# Altium PCB Elevator.PcbDoc (part 2 of 4)
Units mm, origin at the board's own origin, x right, y up, seen from the top; angles counter-clockwise.
Board outline 119.89 x 108.33 mm, 4 copper layers (Top Layer, Internal Plane 1, Internal Plane 2, Bottom Layer), stack 0.462 mm thick; 407 components, 278 nets, 1196 pads, 152 vias.
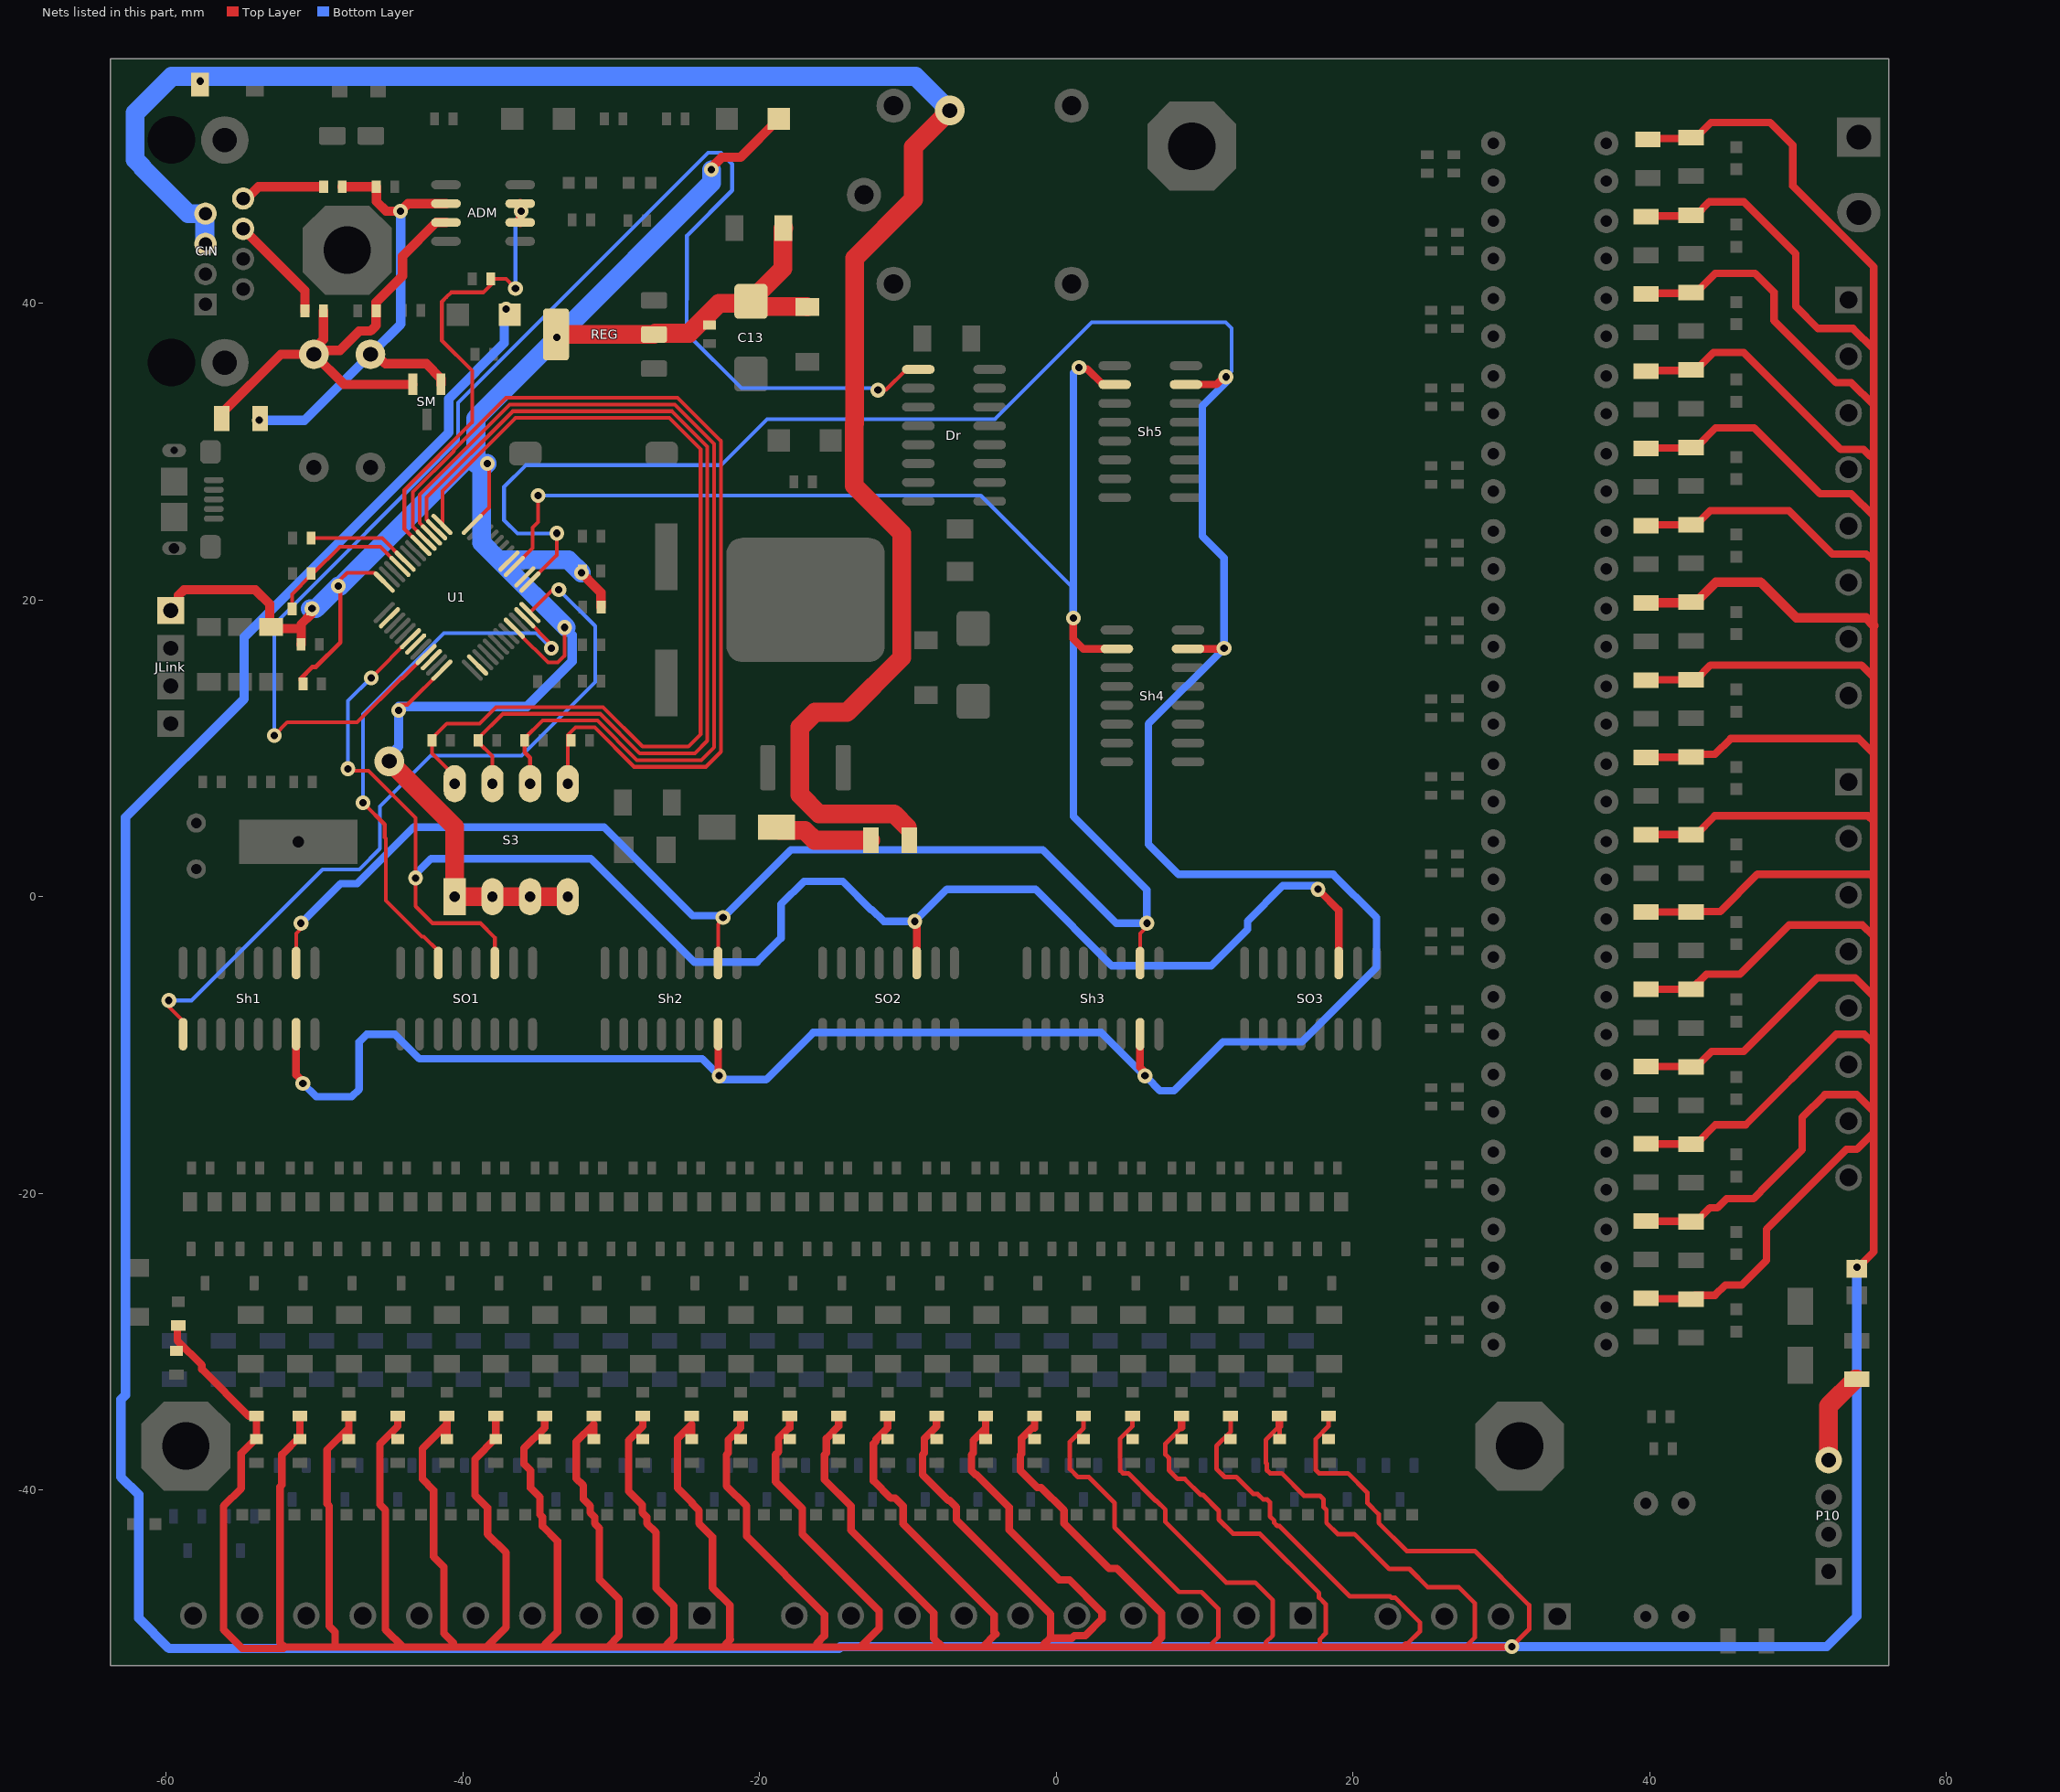
[diagram p4: the nets of this part, all layers, seen from the top]

## Part data
3.3V 5V 24V CON L1 L2 L3 L4 L5 L6 L7 L8 L9 L10 L11 L12 L13 L14 L15 L16 L17 L18 L19 L20 L21 L22 L23 L24 L25 L26 L27 L28 L29 L30 L31 L32 L33 L34 L35 L36 L37 L38 L39 L40 Rx Tx: library part LED, "Chip LED"
  Rx Tx: Price=845
ADM: library part MAX485CPA, Price=14700
C1: "Header, 2-Pin", LatestRevisionDate=17-Jul-2002, LatestRevisionNote="Re-released for DXP Platform.", Publisher="Altium Limited", system=connector
C2 CH1 CV1 CV2 CV3 CV4 CV5 CV6 CV7 CV8 CV9 CV10 CV11 CV12 CV13 CV14 CV15 CV16 CY1 CY2 CY3 CY4 CY5 CY6 CY7 CY8 CY9 CY10 CY11 CY12 CY13 CY14 CY15 CY16 CY17 CY18 CY19 CY20 CY21 CY22 CY23 CY24: library part Cap-Bipolar, "Bipolar Capacitor", Voltage=35V, Price=2800
C6 C7 C10 C15 C16 CS3: library part Cap-Bipolar, "Bipolar Capacitor", Voltage=100V
  C6 C7: ComponentLink1Description="Buy Link", ComponentLink1URL=http://nikushop.com/index.php?id_product=9033&controller=product, Price=902
  C10 C15: ComponentLink1Description="Buy Link", ComponentLink1URL=http://nikushop.com/index.php?id_product=13570&controller=product&search_query=1uF-0603&results=1, Price=2346
  C16: ComponentLink1Description="Buy Link", ComponentLink1URL=http://nikushop.com/index.php?id_product=9021&controller=product&search_query=10PF-0603&results=1, Price=1173
  CS3: Adding Date=1387/12/20, Designer="Saeid Jorablo", Organazation=ControTec
C13: library part Cap-Polar, "Polar Capacitor", Voltage=6V, Price=0
CR1 CR2: library part Cap-Bipolar, "Bipolar Capacitor", Voltage=50V, Price=753
CR3 CS2: library part Cap-Polar, "Polar Capacitor", Voltage=16V, Adding Date=1387/12/20, Designer="Saeid Jorablo", Organazation=ControTec
DD1 DD2 DD3 DD4 DD5 DD6 DD7 DD8 DD9 DD10 DD11 DD12 DD13 DD14 DD15 DD16 DD17 DD18 DD19 DD20 DD21 DD22 DD23 DD24 DM1 DM6 DP1 DP2 DP15: library part "Diode 1N4148", "High Conductance Fast Diode", Code_JEDEC=DO-204-AH, ComponentLink1Description="Manufacturer Link", ComponentLink1URL=http://www.fairchildsemi.com/, ComponentLink2Description=Datasheet, ComponentLink2URL=http://www.fairchildsemi.com/ds/1N%2F1N4148.pdf, DatasheetVersion=1997, LatestRevisionDate=17-Jul-2002, LatestRevisionNote="Re-released for DXP Platform.", PackageDescription="Diode, Axial; Body 3.8 x 1.9 mm (LxDia. max), Lead Dia. 0.53 mm (max)", PackageReference=DO-35, Published=8-Jun-2000, Publisher="Altium Limited"
DZ1 DZ2 DZ10 DZ11 DZ12 DZ20: library part "D Zener", "Zener Diode", Voltage=5.1, Price=1840
F3 F4: library part "Fuse 2", "Fuse", Current=0.5A, LatestRevisionDate=17-Jul-2002, LatestRevisionNote="Re-released for DXP Platform.", PackageDescription="Thru-Hole; 2 Leads", PackageReference=PIN-W2/E2.8, Published=8-Jun-2000, Publisher="Altium Limited"
FB1: library part Inductor, "Inductor", Code_IEC=1005, Code_JEITA=0402, LatestRevisionDate=29-May-2009, LatestRevisionNote="IPC-7351 Footprint Added.", PackageDescription="Chip Inductor", PackageReference=0805, Published=8-Jun-2000, Publisher="Altium Limited"
JLink: library part "Header 1*4"
K: "RELAY 5V 7A 1C 5PIN", Company=E.P.I.L, Design_Date=2011/10/31, Designer="Eng. Saeid Jorablo"
LOGO1: library part WARNING, "WARNING & LOGO", Company=E.P.I.L, Design Date=11/6/2011
M1 M2 M3 M4 M5 M6 M7 M8 M9 M10 M11 M12 M13 M14 M15 M16 M17 M18 M19 M20 M21 M22 M23 M24: library part 2N7002ET1G, Manufacturer="On Semiconductor", Package Type=SOT-23-3, Supplier Part Number 1=2N7002ET1GOSTR-ND, Channel Polarity="N Channel", Ciss Typ (pF)=26.7, ComponentLink1Description="Manufacturer URL", ComponentLink1URL=http://www.onsemi.com/, ComponentLink2Description=Datasheet, ComponentLink2URL=http://www.onsemi.com/pub_link/Collateral/2N7002E-D.PDF, ComponentLink3Description="Package Specification", ComponentLink3URL=http://www.onsemi.cn/pub_link/Collateral/318-08.PDF, Configuration=Single, Coss Typ (pF)=4.6, Crss Typ (pF)=2.9, DatasheetVersion="Rev. 3", ID Max (A)=0.31, Mounting Technology="Surface Mount", PackageDescription="3-Pin Small Outline Transistor, Body 2.92 x 1.3 mm, Pitch 0.95 mm", PackageReference=SOT-23-3-318-08, PackageVersion="Rev. AP, 11/2009", Packing="Tape and Reel", PartNumber=2N7002ET1G, RoHS=Pb-Free, Supplier 1=Digi-Key, Supplier 2=Digi-Key, Supplier 3=Digi-Key, Supplier 4=Farnell, Supplier 5=Farnell, Supplier 6=Newark, Supplier 7=Newark, Supplier 8=Mouser, Supplier Part Number 2=2N7002ET1GOSCT-ND, Supplier Part Number 3=2N7002ET1GOSDKR-ND, Supplier Part Number 4=2317895, Supplier Part Number 5=2317616, Supplier Part Number 6=09R9861, Supplier Part Number 7=50M2216, Supplier Part Number 8=863-2N7002ET1G, V(BR)DSS Min (V)=60, VGS(th) Max (V)=2.5, VGS Max (V)=20
O1 O2 O3 O4 O5 O6 O7 O8 O9 O10 O11 O12 O13 O14 O15 O16: "HIGH DENSITY MOUNTING PHOTOTRANSISTOR OPTICALLY COUPLED ISOLATORS", Price=10914
OpC: library part TLP521, "HIGH DENSITY MOUNTING PHOTOTRANSISTOR OPTICALLY COUPLED ISOLATORS", Price=10914
P1 P2: library part "Header 1x10"
P3 P10: library part "Header 1x4"
P5 P6: library part "Header 1x8"
R1 R2 R5 R6 R7 R8 R9 R10 R44 R45 R46 R47 RA1 RA2 RA3 RA4 RA5 RA6 RA7 RA8 RA9 RA10 RA11 RA12 RA13 RA14 RA15 RA16 RA17 RA18 RA19 RA20 RA21 RA22 RA23 RA24 RG1 RG2 RG3 RG4 RG5 RG6 RG7 RG8 RG9 RG10 RG11 RG12 RG13 RG14 RG15 RG16 RJ1 RJ2 RJ3 RJ4 RJ5 RJ6 RJ7 RJ8 RJ9 RJ10 RJ11 RJ12 RJ13 RJ14 RJ15 RJ16 RJ17 RJ18 RJ19 RJ20 RJ21 RJ22 RJ23 RJ24 RP2 RR1 RR2 RR3 RR4 RR5 RR6 RR7 RR8 RR9 RR10 RR11 RR12 RR13 RR14 RR15 RR16 RR17 RR18 RR19 RR20 RR21 RR22 RR23 RR24 RR25 RR26 RR27 RR28 RR29 RR30 RR31 RR32 RR33 RR34 RR35 RR36 RR37 RR38 RR39 RR40 RU1 RU2 RU3 RU4 RU5 RU6 RU7 RU8 RU9 RU10 RU11 RU12 RU13 RU14 RU15 RU16: library part Resistor, "Resistor"
  R1 R2 R5 R6 R10 R44 R45 R46 R47: ComponentLink1Description="Buy Link", ComponentLink1URL=http://www.roboeq.ir/products/detail/%D9%85%D9%82%D8%A7%D9%88%D9%85%D8%AA%2010%20%DA%A9%DB%8C%D9%84%D9%88%20%D8%A7%D9%87%D9%85%20SMD%200603/, Price=394
  R7 R8: ComponentLink1Description="Buy Link", ComponentLink1URL="20R Resistor R5, R6 RES 0603 (1608X06L) Resistor 2 276 552 http://nikushop.com/index.php?id_product=13587&controller=product", Price=276
  R9: ComponentLink1Description="Buy Link", ComponentLink1URL=http://kaelectronic.ir/index.php?route=product/product&product_id=6863&search=15kohm+0603, Price=597
  RA1 RA2 RA3 RA4 RA5 RA6 RA7 RA8 RA9 RA10 RA11 RA12 RA13 RA14 RA15 RA16 RA17 RA18 RA19 RA20 RA21 RA22 RA23 RA24 RG1 RG2 RG3 RG4 RG5 RG6 RG7 RG8 RG9 RG10 RG11 RG12 RG13 RG14 RG15 RG16 RJ1 RJ2 RJ3 RJ4 RJ5 RJ6 RJ7 RJ8 RJ9 RJ10 RJ11 RJ12 RJ13 RJ14 RJ15 RJ16 RJ17 RJ18 RJ19 RJ20 RJ21 RJ22 RJ23 RJ24 RP2 RR1 RR2 RR3 RR4 RR5 RR6 RR7 RR8 RR9 RR10 RR11 RR12 RR13 RR14 RR15 RR16 RR17 RR18 RR19 RR20 RR21 RR22 RR23 RR24 RR25 RR26 RR27 RR28 RR29 RR30 RR31 RR32 RR33 RR34 RR35 RR36 RR37 RR38 RR39 RR40 RU1 RU2 RU3 RU4 RU5 RU6 RU7 RU8 RU9 RU10 RU11 RU12 RU13 RU14 RU15 RU16: Price=617
R3 R4 R80 R82 R83 RC1 RC2 RC3 RC4 RC5 RF1 RF2 RF3 RF4 RF5 RF6 RF7 RF8 RF9 RF10 RF11 RF12 RF13 RF14 RF15 RF16 RF17 RF18 RF19 RF20 RF21 RF22 RF23 RF24 RM1 RT1 RT2 RT3 RT4: library part Resistor, "Resistor", Power=1/4W
  RC1 RC2: Price=276
  RC3 RC4 RC5 RM1 RT1 RT2 RT3 RT4: Price=394
REG: library part REG1117A-2.5/2K5, ")", ComponentLink1Description="Manufacturer URL", ComponentLink1URL=http://www.ti.com/, ComponentLink2Description=Datasheet, ComponentLink2URL=http://www.ti.com/general/docs/lit/getliterature.tsp?genericPartNumber=REG1117A-25&fileType=pdf, ComponentLink3Description="Package Specification", ComponentLink3URL=http://www.ti.com/litv/pdf/mpds094a, Price=4200
Reg2: "Voltage Regulator IC, D2PAK SMD, L7805", Manufacturer 1="ON Semiconductor", Package / Case=D2PAK, Ratings="40V; 1.5A", Supplier Part Number 1=LM317D2TGOS-ND, Tolerance=0.04%, Voltage Regulator Type="Adjustable Positive Linear", Manufacturer Part Number 1=L7805, SCDType=spec*, Supplier 1=Digi-Key
RES: library part "SPST-NO 2 PIN", ComponentLink1Description="Buy Link", ComponentLink1URL=https://eshop.eca.ir/%D8%AA%DA%A9-%D8%B3%D9%88%D8%A6%DB%8C%DA%86/6472-%D8%AA%DA%A9-%D8%B3%D9%88%D8%A6%DB%8C%DA%86-smd-%D8%B3%D8%A7%DB%8C%D8%B2-3x6x25-%D8%B2%D8%B1%D8%AF-%D8%A8%D8%B3%D8%AA%D9%87-10-%D8%AA%D8%A7%DB%8C%DB%8C.html, Price=1900
RP1: library part Resistor, "Resistor", Power=1W, Buy Site=ickala.com, IC Name=Resistor, Index=Ri, Price=4125
RV1 RV2: library part "Res Varistor", "Varistor (Voltage-Sensitive Resistor)", Code_IPC=RESC2012, LatestRevisionDate=29-May-2009, LatestRevisionNote="IPC-7351 Footprint Added.", PackageDescription="Chip Resistor 0805 Case Size", PackageReference=6-0805, PackageVersion=Mar-2003, Published=24-Mar-1999, Publisher="Altium Limited"
S3: "DIP Switch, 4 Position, SPST", Code_IPC=SOIC127P600-8, Code_JEDEC=MS-012-AA, LatestRevisionDate=29-May-2009, LatestRevisionNote="IPC-7351 Footprint Added.", PackageDescription="8-Pin Small Outline Integrated Circuit 1.27 mm Pitch", PackageReference=SO8, PackageVersion=Dec-2002, Published=24-Mar-1999, Publisher="Altium Limited"
T1 T2 T3 T4 T5 T6 T7 T8 T9 T10 T11 T12 T13 T14 T15 T16 T17 T18 T19 T20 T21 T22 T23 T24: library part NPN_MMBT3904, "Transistor SMD NPN 40V 0.2A 250mW SOT-23", Manufacturer 1="Fairchild Semiconductor", Manufacturer 2="NXP Semiconductors", Manufacturer Part Number 2=PMBT3904,215, Package / Case=SOT-23, Ratings="40V; 200mA; 250mW", Supplier Part Number 1=MMBT3904FSCT-ND, ComponentLink1Description=http://www.fairchildsemi.com/ds/MM/MMBT3904.pdf, ComponentLink1URL=http://www.fairchildsemi.com/ds/MM/MMBT3904.pdf, ComponentLink2Description=http://www.nxp.com/documents/data_sheet/PMBT3904.pdf, ComponentLink2URL=http://www.nxp.com/documents/data_sheet/PMBT3904.pdf, Manufacturer Part Number 1=BC848, Material=Si, Mounting Type="Surface Mount", SCDType=source, Supplier 1=Digi-Key, Supplier 2=Digi-Key, Supplier Part Number 2=568-1741-1-ND, Transistor Type=NPN
U1: "STM32 ARM-based 32-bit MCU with 128 Kbytes Flash, 48-pin LQFP, Industrial Temperature", ComponentLink1Description="Manufacturer Link", ComponentLink1URL=www.st.com/stm32, ComponentLink2Description=Datasheet, ComponentLink2URL=http://www.st.com/stonline/products/literature/ds/13587.pdf, DatasheetVersion="rev6, Mar-2008", PackageDescription="48-Pin Low-Profile Quad Flat Pack, 7 x 7 mm Body, 0.5 mm Pitch (LQFP48)", PackageReference=LQFP48, PackageVersion=Mar-2008, Published=30-May-2008, Publisher="Altium Limited"
usb: library part "USB 2.0 Type B Micro", ComponentLink1Description="Buy Link", ComponentLink1URL=http://nikushop.com/index.php?id_product=11066&controller=product, Price=14934
Y2 Y3: library part XTAL, "XTAL Crystal"
  Y2: Price=20000
  Y3: ComponentLink1Description="Buy Link", ComponentLink1URL=http://www.roboeq.ir/products/detail/%DA%A9%D8%B1%DB%8C%D8%B3%D8%AA%D8%A7%D9%84%2032.768%20%DA%A9%DB%8C%D9%84%D9%88%D9%87%D8%B1%D8%AA%D8%B2/, Price=5900
Sh1 Sh2 Sh3 Sh4 Sh5: Price=16000

## Free pads (board coordinates)
  oct 6x6 hole 3.2: 0(-58.674,-37.028) 0(-47.795,43.593) 0(9.144,50.611) 0(31.242,-37.028)

## Via types
v1: diameter 1, hole 0.5, Top Layer to Bottom Layer, 149 vias
v2: diameter 2, hole 1, Top Layer to Bottom Layer, 3 vias

## Nets (pads, with @x,y where several pads share a name; then routed paths per layer and width w, separated by ;. In a path a pad name is that pad's centre, name@x,y a point inside that pad or via, vN(x,y) a via of type N, cw(c..) or ccw(c..) an arc to the next point about the centre after c; other vN are vias at no path point)
3.3v: 3.3V.1 C2.2 C13.1 DP2.1 DZ2.2 DZ10.2 JLink.4 R1.1 R5.1 R6.2 R9.2 R10.1 REG.2 REG.4 S3.1 S3.2 S3.3 S3.4 U1.9 U1.24 U1.36 U1.48 | length 171.5
  Top Layer w0.254: v1@-48.26,20.955 -48.26,21.382 -47.795,21.847 -45.959,21.847 -45.791,21.679 -45.761,21.679 U1.36@-45.3,21.218 ; v1@-44.196,12.954 -43.736,12.954 U1.48@-41.411,15.279 ; U1.24@-39.361,25.107 -38.227,26.241 v1@-38.227,29.337 ; U1.9@-36.153,17.695 -34.257,15.799 -33.604,15.799 -33.147,16.256 v1(-33.147,18.161)
  Top Layer w0.305: R5.1@-50.91,14.605 -50.91,14.73 -50.165,15.475 -50.165,15.494 -49.911,15.494 -48.254,17.151 -48.254,20.634 -48.448,20.828 v1@-48.514,20.828
  Top Layer w0.635: -59.182,20.32 -58.801,20.701 -53.975,20.701 -53.016,19.742 -53.016,18.386 -52.819,18.189 -52.712,18.081 -51.067,18.081 -50.893,17.907 ; R6.2@-50.91,17.018 -50.893,17.036 -50.893,17.907 ; R9.2@-50.257,19.416 -50.257,19.031 -50.893,18.396 -50.893,17.907 ; v1(-32.004,21.844) -31.516,21.356 -31.516,21.333 -30.691,20.507 -30.691,19.55 R1.1@-30.673,19.532 ; v1@-23.368,49.05 -22.56,49.858 -21.29,49.858 3.3V.1@-18.697,52.451
  Top Layer w1.27: v2@-44.831,9.017 -40.546,4.732 S3.1@-40.546,0.013 S3.2@-38.006,0.013 S3.3@-35.466,0.013 S3.4@-32.926,0.013 ; REG.4@-33.717,37.913 REG.2@-27.117,37.913 -27.032,37.998 -24.74,37.998 -22.733,40.005 C13.1@-20.435,40.005 ; DP2.1@-18.38,45.085 -18.415,45.05 -18.415,42.353 -20.574,40.194 C13.1@-20.574,40.144 C13.1@-20.435,40.005 ; DZ2.2@-16.784,39.77 -16.819,39.805 -20.236,39.805 C13.1@-20.435,40.005
  Bottom Layer w0.635: v2@-45.085,9.144 -45.085,9.386 -44.323,10.148 v1(-44.323,12.573) ; v1@-44.323,12.827 -35.687,12.827 -32.639,15.875 -32.639,17.653 v1(-33.147,18.161)
  Bottom Layer w1.27: v1@-50.292,19.431 v1(-50.165,19.431) -49.911,19.431 v1(-48.387,20.955) ; v1@-48.26,20.955 -39.56,29.654 -39.116,29.21 ; v1@-33.02,18.161 -37.592,22.733 ; v1(-32.004,21.844) -32.893,22.733 -37.592,22.733 ; v1(-23.241,49.022) -23.241,48.133 v1(-33.655,37.719) -39.116,32.258 -39.116,29.21 ; -39.116,29.21 v1(-38.354,29.21) -38.735,28.829 -38.735,23.876 -37.592,22.733
  other v2: -44.958,9.144
8V: DM1.1 F4.2 | length 6.7
  Top Layer w1.27: DM1.1@-18.86,4.699 -18.645,4.484 -16.956,4.484 -16.287,3.815 F4.2@-12.502,3.815
8V_IN: CIN.5 CIN.7 DZ20.2 F4.1 | length 130.6
  Top Layer w1.27: -10.033,4.699 -10.922,5.588 -15.981,5.588 -17.272,6.879 -17.272,11.43 -16.256,12.446 -14.097,12.446 -10.414,16.129 -10.414,24.511 -13.621,27.718 -13.621,31.868 -13.589,31.899 -13.589,43.053 -9.623,47.019 -9.623,50.555 v2(-7.169,53.009)
  Bottom Layer w1.27: -61.595,49.149 -58.507,46.061 CIN.7@-57.391,46.061 ; -61.568,49.176 -62.082,49.69 -62.082,52.853 -59.618,55.317 -9.477,55.317 -7.246,53.086 v2@-7.239,53.086 ; CIN.5@-57.347,44.021 -57.391,44.065 CIN.7@-57.391,46.061 ; CIN.7@-57.347,46.061 CIN.7@-57.391,46.061
  other v1: -57.694,54.991
24V: 24V.1 FB1.1 RJ1.2 RJ2.2 RJ3.2 RJ4.2 RJ5.2 RJ6.2 RJ7.2 RJ8.2 RJ9.2 RJ10.2 RJ11.2 RJ12.2 RJ13.2 RJ14.2 RJ15.2 RJ16.2 RJ17.2 RJ18.2 RJ19.2 RJ20.2 RJ21.2 RJ22.2 RJ23.2 RJ24.2 RR1.1 RR2.1 RR3.1 RR4.1 RR5.1 RR6.1 RR7.1 RR8.1 RR9.1 RR10.1 RR11.1 RR12.1 RR13.1 RR14.1 RR15.1 RR16.1 RR17.1 RR18.1 RR19.1 RR20.1 RR21.1 RR22.1 RR23.1 RR24.1 RR25.1 RR26.1 RR27.1 RR28.1 RR29.1 RR30.1 RR31.1 RR32.1 RR33.1 RR34.1 RR35.1 RR36.1 RR37.1 RR38.1 RR39.1 RR40.1 RU1.1 RU2.1 RU3.1 RU4.1 RU5.1 RU6.1 RU7.1 RU8.1 RU9.1 RU10.1 RU11.1 RU12.1 RU13.1 RU14.1 RU15.1 RU16.1 | length 1155.3
  Top Layer w0.254: RR25.1@42.728,-27.051 RR25.1@42.799,-27.122
  Top Layer w0.305: RJ19.2@1.845,-35.001 1.845,-35.814 0.922,-36.737 0.922,-38.581 1.457,-39.116 2.198,-39.116 3.937,-40.855 3.937,-42.519 8.281,-46.863 9.796,-46.863 10.922,-47.989 10.922,-49.908 10.541,-50.289 10.541,-50.329 10.464,-50.406 ; RJ20.2@5.147,-35.001 5.147,-35.687 4.318,-36.516 4.318,-37.637 4.295,-37.66 4.295,-38.652 4.501,-38.858 4.858,-38.858 6.714,-40.714 6.764,-40.714 7.366,-41.316 7.366,-42.138 11.456,-46.228 13.409,-46.228 14.605,-47.424 14.605,-49.781 14.128,-50.258 14.128,-50.511 14.201,-50.583 ; 8.449,-35.778 7.366,-36.862 7.366,-37.592 7.597,-37.823 7.597,-38.652 8.188,-39.243 8.67,-39.243 9.744,-40.317 9.889,-40.317 10.963,-41.392 10.963,-41.976 11.924,-42.937 13.725,-42.937 17.723,-46.935 17.723,-47.244 18.161,-47.683 18.161,-49.657 17.78,-50.038 17.78,-50.356 17.907,-50.483 ; RJ22.2@11.751,-35.001 11.751,-36.068 10.812,-37.007 10.812,-38.565 11.363,-39.116 12.147,-39.116 13.282,-40.251 13.575,-40.251 13.957,-40.633 14.227,-40.633 14.406,-40.812 14.406,-41.763 14.705,-42.063 14.705,-42.202 14.912,-42.408 15.051,-42.408 19.808,-47.165 22.51,-47.165 22.607,-47.262 22.871,-47.262 24.511,-48.902 24.511,-49.531 23.717,-50.325 23.554,-50.325 23.368,-50.511 ; RR23.1@15.053,-36.556 15.053,-35.687 14.138,-36.602 14.138,-38.156 14.201,-38.218 14.201,-38.652 14.411,-38.862 15.195,-38.862 16.706,-40.373 17.782,-40.373 18.034,-40.625 18.034,-41.148 18.222,-41.336 18.222,-42.202 18.975,-42.955 20.095,-42.955 22.447,-45.307 23.813,-45.307 25.053,-46.547 27.148,-46.547 28.21,-47.609 28.21,-49.941 27.568,-50.583 27.432,-50.583 ; RJ24.2@18.355,-35.001 18.355,-35.687 17.503,-36.539 17.503,-38.652 17.709,-38.858 19.667,-38.858 20.979,-40.17 20.979,-40.862 21.739,-41.622 21.739,-42.202 23.631,-44.095 28.22,-44.095 31.877,-47.752 31.877,-49.379 v1(30.71,-50.546)
  Top Layer w0.508: RJ1.2@-59.182,-28.905 -59.245,-28.968 -59.245,-29.916 -57.591,-31.571 -57.591,-31.849 -54.439,-35.001 RJ2.2@-54.289,-35.001 ; RJ2.2@-53.908,-35.001 RR2.1@-53.908,-36.556 -53.983,-36.556 -54.936,-37.509 -54.936,-39.871 -56.134,-41.069 -56.134,-49.413 -54.874,-50.673 -52.1,-50.673 -52.01,-50.583 ; RJ3.2@-50.987,-35.001 -50.987,-36.386 -52.195,-37.594 -52.195,-39.641 -52.324,-39.77 -52.324,-50.269 -52.01,-50.583 ; -48.605,-50.547 -48.605,-49.566 -49.004,-49.167 -49.004,-41.068 -49.149,-40.923 -49.149,-37.278 -47.685,-35.814 ; RR4.1@-47.685,-36.556 -47.685,-35.814 ; RJ4.2@-47.685,-35.001 -47.685,-35.814 ; RJ5.2@-44.383,-35.001 -44.383,-35.687 -45.593,-36.897 -45.593,-40.962 -45.212,-41.343 -45.212,-49.403 -44.032,-50.583 ; RR6.1@-41.081,-36.556 -41.081,-35.56 ; RJ6.2@-41.081,-35.001 -41.081,-35.56 ; -38.233,-50.39 -37.084,-49.241 -37.084,-44.211 -38.339,-42.956 -38.339,-41.183 -39.183,-40.339 -39.183,-37.909 -37.779,-36.505 RJ7.2@-37.779,-35.001 ; RJ8.2@-34.477,-35.001 -34.477,-35.778 -35.875,-37.177 -35.875,-38.234 -35.431,-38.678 -35.431,-39.847 -34.81,-40.467 -34.81,-41.636 -34.629,-41.817 -34.629,-42.426 -33.621,-43.434 -33.621,-49.554 -34.457,-50.39 ; RR9.1@-31.175,-36.556 -31.175,-35.56 -32.359,-36.744 -32.359,-39.204 -31.883,-39.68 -31.883,-40.606 -31.421,-41.068 -31.421,-41.509 -31.112,-41.817 -31.112,-42.244 -30.793,-42.563 -30.793,-46.026 -29.464,-47.355 -29.464,-49.821 -30.226,-50.583 ; RJ10.2@-27.873,-35.001 -27.873,-35.687 -28.829,-36.643 -28.829,-40.071 -27.904,-40.996 -27.904,-41.509 -27.596,-41.817 -27.596,-42.244 -26.983,-42.857 -26.983,-46.607 -25.781,-47.809 -25.781,-49.936 -26.235,-50.39 ; RR11.1@-24.571,-36.556 -24.571,-35.56 -25.527,-36.516 -25.527,-39.856 -24.52,-40.863 -24.52,-40.936 -24.079,-41.377 -24.079,-42.244 -23.173,-43.15 -23.173,-46.577 -21.998,-47.752 -21.998,-50.036 -21.966,-50.068 -22.288,-50.39 ; RJ12.2@-21.269,-35.001 -21.269,-35.778 -22.098,-36.608 -22.098,-37.493 -22.223,-37.618 -22.223,-39.716 -20.871,-41.068 -20.871,-43.104 -15.621,-48.353 -15.621,-49.821 -16.132,-50.332 ; RJ13.2@-17.967,-35.001 -17.967,-35.814 -18.034,-35.814 -18.713,-36.493 -18.713,-37.409 -18.921,-37.618 -18.921,-39.429 -17.111,-41.24 -17.111,-42.96 -11.938,-48.133 -11.938,-49.308 -13.213,-50.583 ; RJ14.2@-14.665,-35.001 -14.665,-35.687 -15.494,-36.516 -15.494,-37.493 -15.619,-37.618 -15.619,-39.287 -13.838,-41.068 -13.838,-42.692 -8.255,-48.275 -8.255,-49.986 -7.658,-50.583 ; RJ15.2@-11.363,-35.001 -11.363,-35.778 -12.157,-36.572 -12.157,-36.703 -12.319,-36.865 -12.319,-37.412 -12.317,-37.414 -12.317,-39.372 -11.153,-40.536 -10.853,-40.536 -10.321,-41.068 -10.321,-42.257 -4.191,-48.387 -4.191,-49.567 -4.064,-49.694 -4.953,-50.583 ; RJ16.2@-8.061,-35.001 -8.061,-35.687 -8.89,-36.516 -8.89,-37.493 -9.015,-37.618 -9.015,-38.961 -7.283,-40.693 -7.18,-40.693 -6.731,-41.141 -6.731,-42.009 -0.381,-48.359 -0.381,-49.936 -0.422,-49.977 ; RR17.1@-4.759,-36.556 -4.759,-35.814 ; RJ17.2@-4.759,-35.001 -4.759,-35.814 ; RJ18.2@-1.457,-35.001 -1.457,-35.814 -1.651,-35.814 -2.33,-36.493 -2.33,-37.536 -2.411,-37.618 -2.411,-38.694 -1.282,-39.823 -1.017,-39.823 0.537,-41.377 0.537,-42.244 3.564,-45.27 4.086,-45.27 7.112,-48.297 7.112,-49.936 6.658,-50.39 ; -0.835,-50.39 -0.422,-49.977 ; 8.449,-35.778 RJ21.2@8.449,-35.001 ; 15.053,-35.687 RJ23.2@15.053,-35.001 ; 27.432,-50.583 14.201,-50.583 -4.953,-50.583 ; 27.568,-50.583 30.673,-50.583 v1(30.71,-50.546) ; RU1.1@39.751,-27.051 39.786,-27.086 42.693,-27.086 RR25.1@42.728,-27.051 ; RU2.1@39.751,-21.844 39.78,-21.873 42.77,-21.873 RR26.1@42.799,-21.902 43.124,-21.902 44.071,-20.955 44.577,-20.955 45.194,-20.338 47.008,-20.338 47.989,-19.356 50.292,-17.053 50.292,-14.859 51.816,-13.335 53.975,-13.335 55.118,-14.478 ; RU3.1@39.751,-16.637 39.773,-16.659 42.777,-16.659 RR27.1@42.799,-16.682 43.124,-16.682 44.439,-15.367 46.482,-15.367 52.578,-9.271 54.483,-9.271 55.118,-9.906 ; RU4.1@39.751,-11.43 39.767,-11.446 42.783,-11.446 RR28.1@42.799,-11.461 43.124,-11.461 44.171,-10.414 46.355,-10.414 51.308,-5.461 53.865,-5.461 55.118,-6.714 ; RU5.1@39.751,-6.223 39.76,-6.232 42.79,-6.232 RR29.1@42.799,-6.241 43.833,-5.207 46.101,-5.207 49.403,-1.905 54.356,-1.905 55.118,-2.667 ; RU6.1@39.751,-1.016 39.754,-1.019 42.796,-1.019 RR30.1@42.799,-1.021 42.835,-0.985 44.77,-0.985 47.279,1.524 54.864,1.524 55.118,1.27 ; RU7.1@39.751,4.191 39.759,4.199 RR31.1@42.799,4.199 43.124,4.199 44.386,5.461 54.737,5.461 55.118,5.08 ; RU8.1@39.751,9.398 39.762,9.409 42.788,9.409 RR32.1@42.799,9.419 42.993,9.613 44.411,9.613 45.466,10.668 54.102,10.668 55.118,9.652 ; RU9.1@39.751,14.605 39.786,14.64 RR33.1@42.799,14.64 43.124,14.64 44.105,15.621 54.283,15.621 55.081,14.822 ; RU12.1@39.751,30.226 39.788,30.263 42.762,30.263 RR36.1@42.799,30.3 43.124,30.3 44.447,31.623 47.044,31.623 51.489,27.178 53.594,27.178 55.118,25.654 ; RU13.1@39.751,35.433 39.795,35.477 42.755,35.477 RR37.1@42.799,35.52 43.124,35.52 44.307,36.703 46.355,36.703 52.888,30.17 54.429,30.17 54.881,29.718 55.118,29.718 ; RU14.1@39.751,40.64 39.801,40.69 42.749,40.69 RR38.1@42.799,40.741 43.124,40.741 44.42,42.037 47.117,42.037 48.387,40.767 48.387,38.862 52.578,34.671 53.594,34.671 55.118,33.147 ; RU15.1@39.751,45.847 39.808,45.904 42.742,45.904 RR39.1@42.799,45.961 43.124,45.961 44.026,46.863 46.355,46.863 49.857,43.361 49.857,39.805 51.35,38.312 53.721,38.312 55.118,36.915 ; RU11.1@39.812,25.08 RR35.1@42.799,25.08 43.124,25.08 44.079,26.035 49.403,26.035 52.324,23.114 54.61,23.114 55.118,22.606 ; RU16.1@39.878,51.054 39.941,51.117 43.061,51.117 44.14,52.197 48.133,52.197 49.657,50.673 49.657,47.923 55.118,42.462 55.118,36.915 ; RR25.1@42.799,-27.122 43.063,-26.858 44.411,-26.858 45.107,-26.162 46.228,-26.162 47.879,-24.511 47.879,-22.408 53.269,-17.018 53.975,-17.018 55.118,-15.875 ; FB1.1@54.421,-24.617 55.118,-23.92 55.118,-15.875 ; -52.01,-50.583 -44.032,-50.583 ; -44.032,-50.583 -40.64,-50.583 ; -41.081,-35.56 -42.721,-37.2 -42.721,-39.249 -41.971,-39.999 -41.971,-44.48 -41.275,-45.176 -41.275,-49.657 -40.64,-50.292 -40.64,-50.583 ; -40.64,-50.583 -30.226,-50.583 ; -30.226,-50.583 -13.213,-50.583 ; -13.213,-50.583 -7.658,-50.583 ; -7.658,-50.583 -4.953,-50.583 ; -4.759,-35.814 -5.588,-36.643 -5.588,-37.493 -5.713,-37.618 -5.713,-38.694 -5.447,-38.96 -5.363,-38.96 -3.175,-41.148 -3.175,-42.672 0.199,-46.046 0.901,-46.046 3.086,-48.231 3.086,-48.683 1.958,-49.811 1.228,-49.811 1.061,-49.977 -0.422,-49.977 ; 55.118,-15.875 55.118,-14.478 ; 55.118,-14.478 55.118,-9.906 ; 55.118,-9.906 55.118,-6.714 ; 55.118,-6.714 55.118,-2.667 ; 55.118,-2.667 55.118,1.27 ; 55.118,1.27 55.118,5.08 ; 55.118,5.08 55.118,9.652 ; 55.118,9.652 55.118,18.288 55.118,22.606 ; 55.118,22.606 55.118,25.654 ; 55.118,25.654 55.118,29.718 ; 55.118,29.718 55.118,33.147 ; 55.118,33.147 55.118,36.915
  Top Layer w0.635: RU10.1@39.751,19.812 39.775,19.836 42.775,19.836 RR34.1@42.799,19.86 43.124,19.86 44.483,21.218 47.489,21.218 49.903,18.804 54.602,18.804 55.118,18.288
  Bottom Layer w0.635: v1@-37.211,39.624 -37.211,37.324 -40.96,33.575 -40.96,31.303 -54.737,17.526 -54.737,13.361 -62.738,5.36 -62.738,-31.75 -62.738,-33.584 -63.041,-33.887 -63.041,-39.116 -61.849,-40.308 -61.849,-48.624 -59.8,-50.673 -14.658,-50.673 -14.531,-50.546 v1(30.71,-50.546) 51.943,-50.546 53.975,-48.514 v1(53.975,-24.958)
  other v1: -37.084,39.624
24V_IN: F3.1 P10.4 | length 6.3
  Top Layer w1.27: P10.4@52.07,-37.973 52.07,-34.312 53.87,-32.512 F3.1@53.975,-32.512
485+_Comm: ADM.6 RM1.1 RT2.2 RT3.2 RV1.2 SM.1 | length 33.9
  Top Layer w0.635: RT3.2@-48.133,47.879 RT2.2@-45.838,47.879 -45.82,47.861 -45.82,46.869 -45.179,46.228 v1(-44.196,46.228) -43.688,46.736 ADM.6@-41.134,46.736 ; RV1.2@-46.228,36.576 -45.859,36.576 -45.224,35.941 -42.47,35.941 -41.468,34.939 SM.1@-41.468,34.549
  Bottom Layer w0.635: v1@-53.467,32.131 -50.673,32.131 RV1.2@-46.228,36.576 -44.196,38.608 v1(-44.196,46.228)
  other v1: -53.721,32.131
485-_Comm: ADM.7 RM1.2 RT1.1 RT4.2 RV2.2 SM.2 | length 32.8
  Top Layer w0.635: RM1.2@-56.261,32.258 -56.261,32.583 -52.268,36.576 RV2.2@-50.038,36.576 ; RT4.2@-49.403,39.497 -49.403,37.58 -49.777,37.207 RV2.2@-49.777,36.837 ; SM.2@-43.368,34.549 -48.011,34.549 RV2.2@-50.038,36.576 ; ADM.7@-41.134,45.466 -41.799,45.466 -44.069,43.196 -44.069,41.85 -45.843,40.076 RT1.1@-45.843,39.497 -45.861,39.479 -45.861,38.517 -46.233,38.145 -46.983,38.145 -48.291,36.837 RV2.2@-49.777,36.837 ; RV2.2@-50.038,36.576 RV2.2@-49.777,36.837
A11: R7.1 U1.32 | length 7
  Top Layer w0.254: R7.1@-50.231,24.192 -45.446,24.192 U1.32@-43.886,22.633
A12: R8.1 R9.1 U1.33 | length 10.2
  Top Layer w0.254: R9.1@-51.501,19.416 -51.501,20.409 -50.231,21.679 R8.1@-50.231,21.804 -50.078,21.804 -48.283,23.599 -45.56,23.599 U1.33@-44.24,22.279
A15: U1.38
B12: R44.2 S3.8 U1.25 | length 66
  Top Layer w0.254: U1.25@-41.379,25.042 -41.379,27.355 -36.45,32.284 -26.082,32.284 -23.968,30.17 -23.968,10.957 -24.8,10.125 -27.884,10.125 -30.551,12.792 -37.754,12.792 -38.862,11.684 -41.077,11.684 -42.081,10.679 R44.2@-42.081,10.554 -42.081,9.669 -40.546,8.133 S3.8@-40.546,7.633
B13: R45.2 S3.7 U1.26 | length 65.7
  Top Layer w0.254: U1.26@-41.756,24.713 -42.454,25.41 -42.454,26.922 -36.638,32.738 -25.894,32.738 -23.514,30.358 -23.514,10.522 -24.365,9.671 -28.072,9.671 -30.739,12.338 -37.299,12.338 -38.958,10.679 R45.2@-38.958,10.554 -38.958,10.429 -38.006,9.478 S3.7@-38.006,7.633
B14: R46.2 S3.6 U1.27 | length 64.9
  Top Layer w0.254: U1.27@-42.118,24.4 -42.118,24.413 -42.908,25.202 -42.908,27.11 -36.826,33.192 -25.706,33.192 -23.06,30.546 -23.06,10.087 -23.93,9.217 -28.26,9.217 -30.927,11.884 -34.629,11.884 -35.834,10.679 R46.2@-35.834,10.554 -35.834,9.748 -35.466,9.38 S3.6@-35.466,7.633
B15: R47.2 S3.5 U1.28 | length 64.5
  Top Layer w0.254: U1.28@-42.472,24.047 -42.472,24.059 -43.362,24.949 -43.362,27.298 -40.6,30.059 ; -40.636,30.095 -37.086,33.646 -25.518,33.646 -22.606,30.734 -22.606,9.779 -23.622,8.763 -28.448,8.763 -31.115,11.43 -32.394,11.43 -32.926,10.898 S3.5@-32.926,7.633
Ca0: U1.46
Ca2: U1.43
ChA: CIN.8 RT3.1 | length 5.8
  Top Layer w0.635: CIN.8@-54.807,47.081 -54.573,47.081 -53.775,47.879 RT3.1@-49.377,47.879
ChB: CIN.6 RT4.1 | length 7.3
  Top Layer w0.635: CIN.6@-54.807,45.041 -50.647,40.882 RT4.1@-50.647,39.497
"Clock Pin 2": SO1.11 SO2.11 SO3.11 U1.42 | length 113.6
  Top Layer w0.254: v1@-47.752,8.509 -46.355,8.509 -43.18,5.334 v1(-43.18,1.27) -43.18,-0.635 -42.037,-1.778 -38.808,-1.778 -37.842,-2.744 SO1.11@-37.842,-4.458 ; v1(-46.182,14.763) -43.545,17.4 U1.42@-43.533,17.4
  Top Layer w0.508: SO2.11@-9.396,-4.839 SO2.11@-9.396,-4.458 v1@-9.396,-1.522 ; v1@17.78,0.381 19.05,-0.889 SO3.11@19.05,-4.458
  Bottom Layer w0.254: v1(-47.752,8.636) -47.752,13.208 v1@-46.189,14.771
  Bottom Layer w0.508: v1(-43.18,1.27) -43.18,1.533 -42.138,2.575 -31.375,2.575 -24.409,-4.391 -20.154,-4.391 -18.549,-2.787 -18.549,-0.495 -17.004,1.051 -14.386,1.051 -12.446,-0.889 ; -12.419,-0.862 -11.63,-1.651 v1(-9.525,-1.651) -7.366,0.508 -1.397,0.508 3.756,-4.645 10.453,-4.645 12.9,-2.198 12.9,-1.63 15.284,0.754 v1@17.526,0.754
  other v1: 17.653,0.508
ClockEn: Sh1.15 Sh2.15 Sh3.15 Sh4.15 Sh5.15 U1.13 | length 221.2
  Top Layer w0.254: U1.13@-35.472,21.218 -33.655,23.035 v1(-33.655,24.511)
  Top Layer w0.508: Sh1.15@-51.241,-9.258 -51.241,-12.005 v1@-50.673,-12.573 ; Sh2.15@-22.794,-9.258 -22.777,-9.276 v1@-22.777,-12.021 ; Sh3.15@5.652,-9.258 5.652,-11.494 v1@6.104,-11.946 ; Sh5.15@8.75,34.537 10.799,34.537 v1@11.314,35.052 ; Sh4.15@8.89,16.72 v1@11.259,16.72
  Bottom Layer w0.254: v1(-33.655,24.511) -33.666,24.5 -36.323,24.5 -37.222,25.399 -37.222,27.648 -35.768,29.102 -22.594,29.102 -19.492,32.204 -4.125,32.204 2.406,38.735 11.43,38.735 11.828,38.337 11.828,35.433 v1(11.447,35.052)
  Bottom Layer w0.508: v1(-50.783,-12.573) -49.887,-13.469 -47.491,-13.469 -46.99,-12.969 -46.99,-9.779 -46.482,-9.271 -44.577,-9.271 -42.926,-10.922 -23.859,-10.922 v1(-22.716,-12.065) -22.462,-12.319 -19.558,-12.319 -16.383,-9.144 3.048,-9.144 v1@5.978,-12.074 ; v1@5.969,-12.192 6.113,-12.192 6.992,-13.072 7.935,-13.072 11.237,-9.77 16.571,-9.77 21.59,-4.751 21.59,-1.397 18.678,1.515 8.25,1.515 6.223,3.541 6.223,11.667 v1(11.32,16.764) 11.32,22.843 9.858,24.305 9.858,33.099 v1@11.557,34.798
  other v1: 5.986,-12.065
ClockPin: Sh1.2 Sh2.2 Sh3.2 Sh4.2 Sh5.2 U1.16 | length 166.2
  Top Layer w0.254: Sh1.2@-51.241,-4.458 -51.241,-2.473 v1@-50.8,-2.032 ; U1.16@-36.532,22.279 -35.306,23.505 -35.306,24.892 -34.925,25.273 v1(-34.925,27.051) ; Sh2.2@-22.794,-4.458 -22.794,-1.839 v1@-22.352,-1.397 ; Sh3.2@5.652,-4.458 5.652,-2.476 v1@6.223,-1.905
  Top Layer w0.508: v1@1.143,18.923 1.143,17.399 1.822,16.72 Sh4.2@4.09,16.72 ; v1@1.524,35.56 1.557,35.593 2.095,35.593 3.15,34.537 Sh5.2@3.95,34.537
  Bottom Layer w0.254: v1(-34.925,27.051) -5.08,27.051 1.143,20.828 1.16,20.811
  Bottom Layer w0.508: v1(-50.91,-1.778) -48.236,0.896 -47.119,0.896 -43.317,4.699 -30.48,4.699 -24.511,-1.27 v1@-22.479,-1.27 ; v1(-22.462,-1.397) -22.455,-1.397 -17.883,3.175 -0.904,3.175 4.049,-1.778 v1(6.113,-1.778) 6.113,0.468 1.16,5.421 v1@1.16,18.652 ; 1.143,20.955 1.143,20.828 1.143,18.813 v1(1.16,18.796) ; 1.16,20.811 1.16,35.323 v1@1.524,35.687
  other v1: 1.541,35.687
Co1: U1.2
Co2: U1.17
Control: Dr.1 U1.45 | length 96.3
  Top Layer w0.254: v1(-52.714,10.877) -51.833,11.757 -47.119,11.757 -44.134,14.742 -44.069,14.742 U1.45@-42.472,16.339 ; v1(-12.01,34.163) -11.487,34.163 -10.09,35.56 Dr.1@-9.29,35.56
  Bottom Layer w0.254: v1(-52.714,10.877) -52.714,18.37 -40.316,30.768 -40.316,33.308 -23.458,50.165 -22.606,50.165 -21.844,49.403 -21.844,47.625 -24.892,44.577 -24.892,40.276 -24.901,40.268 -24.901,37.982 -21.209,34.29 v1@-11.938,34.29
CS485_Comm: ADM.2 ADM.3 RC5.1 U1.29 | length 32.2
  Top Layer w0.254: U1.29@-42.826,23.693 -43.942,24.81 -43.942,27.432 -39.37,32.004 -39.37,35.464 -41.414,37.509 -41.414,40.128 -41.094,40.449 -41.084,40.449 -40.781,40.751 -38.624,40.751 -37.981,41.395 RC5.1@-37.981,41.52 ; RC5.1@-38.115,41.654 -37.082,41.654 -36.576,41.148 v1@-36.576,41.021
  Top Layer w0.635: ADM.2@-36.134,45.466 ADM.3@-36.134,46.736
  Bottom Layer w0.254: v1(-36.449,41.021) -36.449,45.645 -36.195,45.899 v1@-36.195,46.228
  other v1: -36.068,46.228
"Data Pin2": SO1.14 U1.11 | length 36.9
  Top Layer w0.254: v1@-46.609,6.35 -46.609,6.223 -45.265,4.879 -45.265,4.011 -45.191,3.937 -45.191,-0.248 -42.753,-2.686 -42.624,-2.686 -41.652,-3.658 SO1.14@-41.652,-4.458 ; U1.11@-35.825,18.814 v1@-33.909,16.898
  Bottom Layer w0.254: v1@-46.736,6.477 -46.736,12.319 -41.275,17.78 -35.052,17.78 v1(-34.036,16.764)
  other v1: -46.736,6.35
DataPin: U1.14
DataPin2: Sh1.9 U1.12 | length 51.8
  Top Layer w0.254: v1@-59.817,-7.112 -59.817,-7.408 -58.861,-8.364 Sh1.9@-58.861,-9.258 ; U1.12@-35.472,19.168 -33.938,20.701 v1(-33.528,20.701) v1@-33.401,20.701
  Bottom Layer w0.254: v1@-59.817,-6.858 -59.69,-6.985 -58.293,-6.985 -49.457,1.851 -46.986,1.851 -45.591,3.246 -45.591,6.098 -42.164,9.525 -36.041,9.525 -31.081,14.485 -31.081,18.254 v1(-33.528,20.701)
  other v1: -59.817,-6.985